# KiCad board AnalogFNN.kicad_pcb (continued)
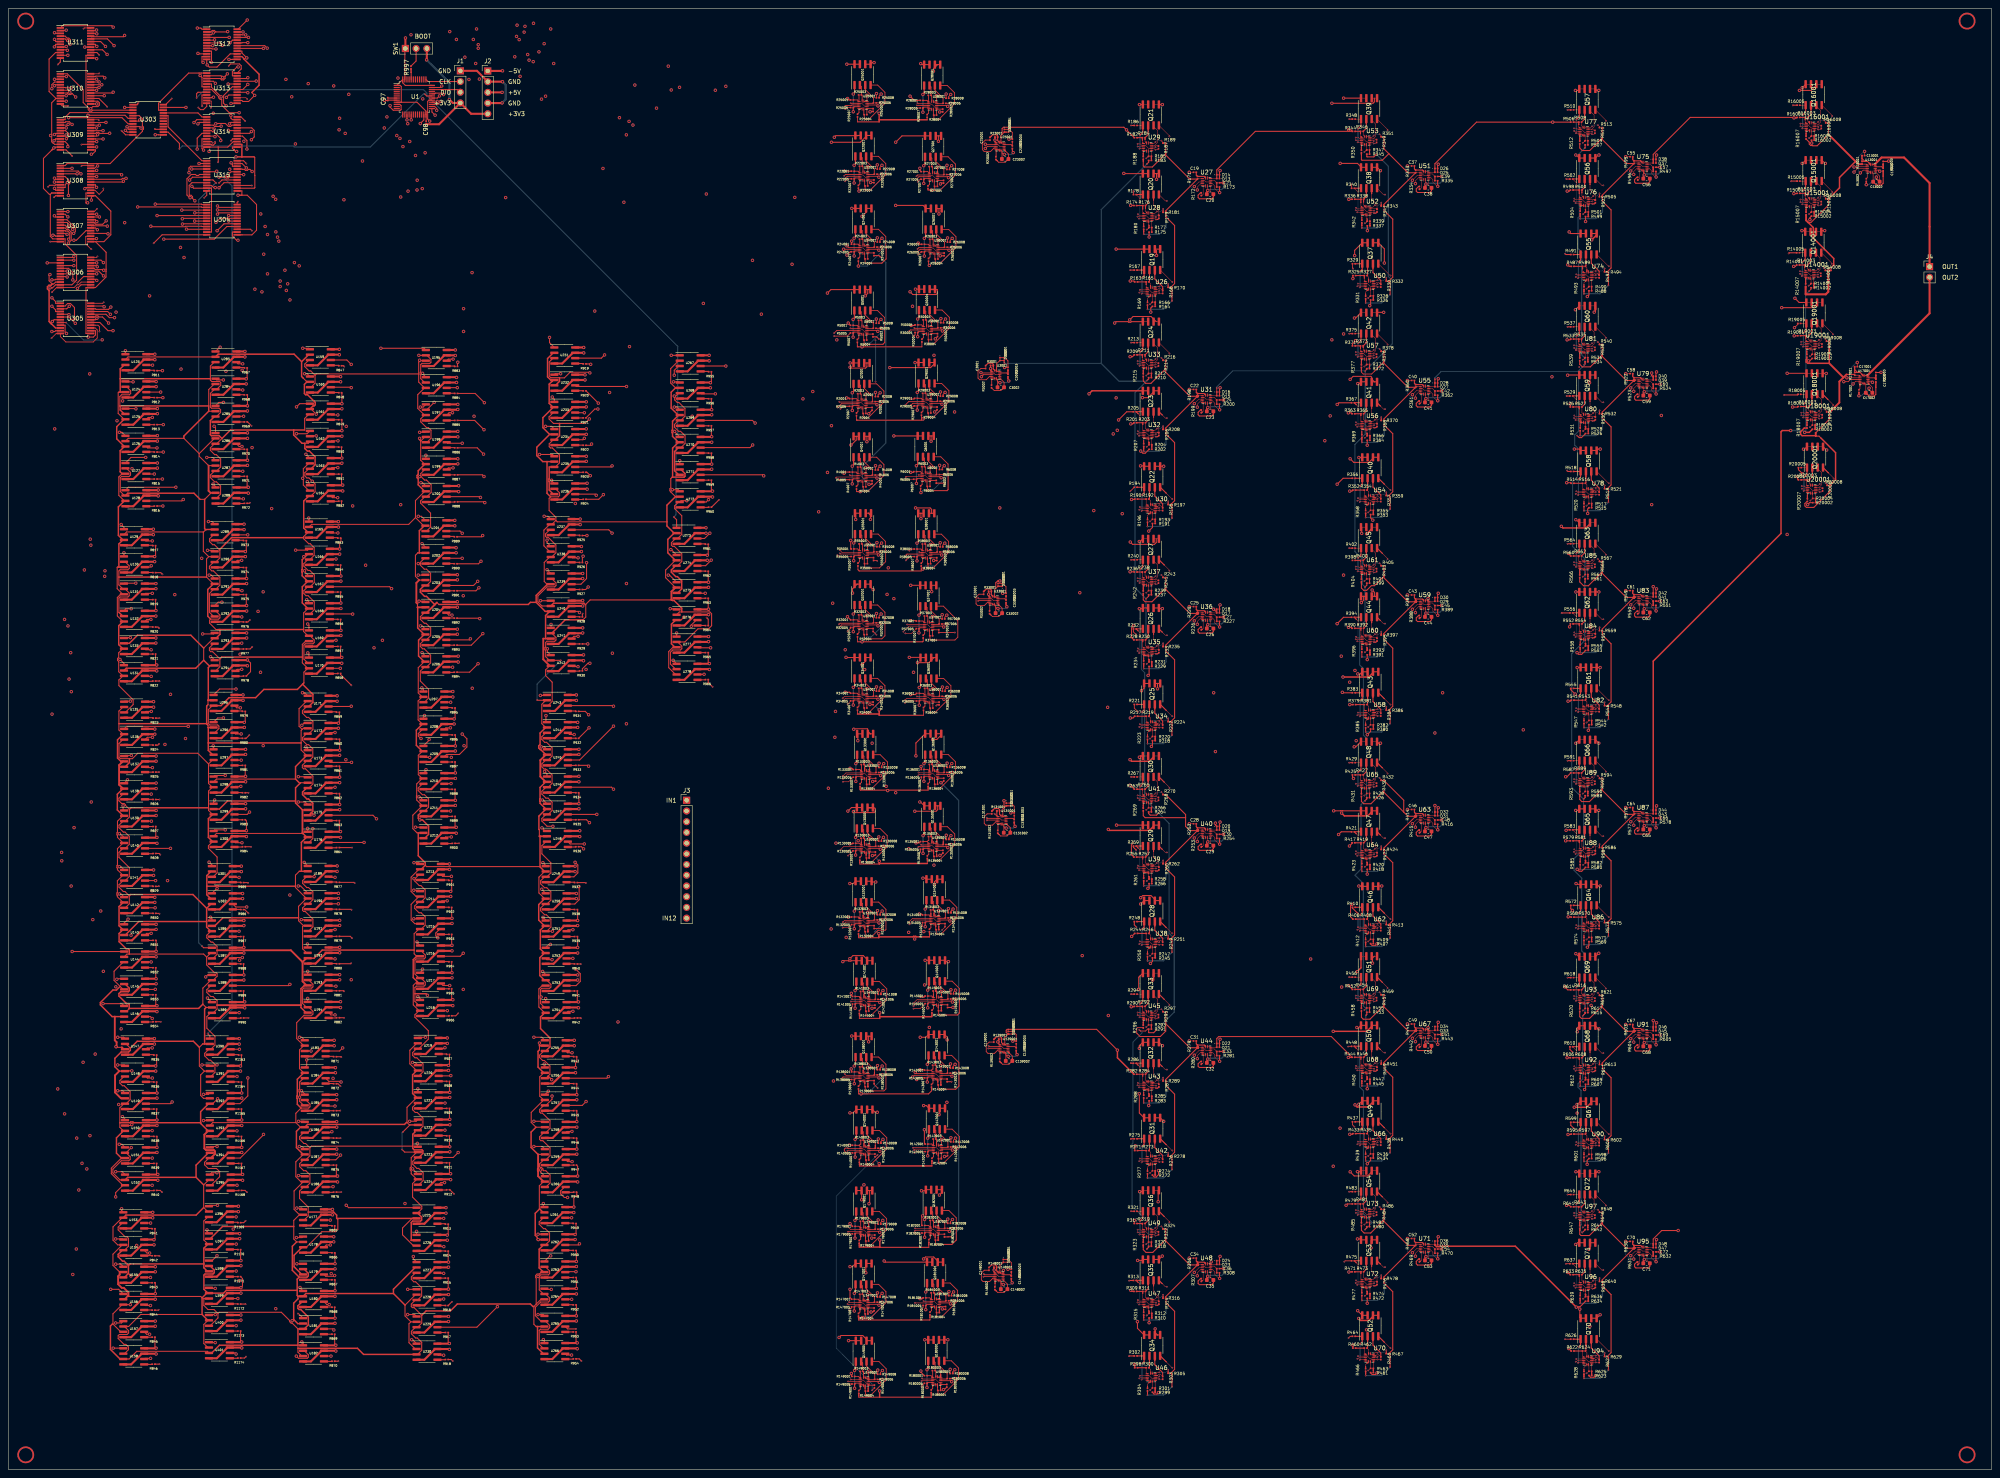
[diagram p0: board, top side]
## Routing (per net, layer and track width the routed paths; a pad name or vN(x,y) marks a point on that pad's centre or on a via; arc(x,y) is an arc through that point) (continued)
  Top w0.35: 437.76,310.22 433.96,306.42 433.96,303.96 R15008.2 ; 431.93,285.02 432.6,285.69 432.6,287.21 427.74,292.06 427.74,294.55 426.53,295.75
  Top w0.45: 426.53,295.75 426.04,296.25 R15007.2 ; 431.26,282.95 R14008.2 431.93,284.35 ; 431.36,316.62 437.76,310.22 438.4,309.58 R13001.1
  Top w0.5: 431.26,282.95 431.3,282.91 431.3,279.3 430.7,278.7 426,278.7 425.94,278.76 425.94,280.49
/OutNeuron_2/AdderOut1/SUM_IN: length 69.2
  Top w0.15: R17001.1 438.58,259.52 U17001.1
  Top w0.25: 428.33,245.85 431.58,249.1 R18008.2 ; R17001.1 437.39,259.71 435.62,259.71 ; R20007.2 426.26,229.58 425.76,229.08 425.76,228.53 426.11,228.18 427.87,228.18 431.68,231.98 R20008.2 ; 438.69,259.41 U17001.1 ; 428.33,245.08 429.1,245.08 429.54,244.63
  Top w0.35: R18007.2 425.6,246.98 424.74,246.12 424.74,245.53 425.09,245.19 428.33,245.19 ; 429.54,244.63 433.03,241.15 433.03,234.75 R20008.2 ; R19008.2 431.53,262.34 426.87,262.34 426.4,262.34 426.06,262.68 426.06,263.16 426.21,263.31 R19007.2
  Top w0.45: R18008.2 431.68,250.8 433.93,253.05 433.93,258.02 434.89,258.98 ; 434.89,258.98 435.62,259.71 ; 434.89,258.98 431.53,262.34 ; 428.33,245.85 428.33,245.08
/S0: length 238.2
  Top w0.25: 10.25,316.62 v1(9.99,316.36) ; 10.25,316.62 10.25,324.13 11.27,325.15 ; 10.25,316.62 10.25,315.37 10.25,315.37 10.25,314.89 10.58,314.55 10.67,314.55 10.96,314.27 U309.10 ; 47,314.93 48.12,314.93 48.39,314.66 v2(48.39,314.66) ; 11.27,325.15 U310.10 ; 11.27,325.15 9.63,326.79 9.63,334.49 11.18,336.04 U311.10 ; U305.10 11.18,270.73 ; v1(10.91,303.84) 11.18,303.57 11.18,303.38 U308.10 ; v1(101.12,321.19) 100.36,321.95 U1.25 ; v1(48.6,325.45) 48.25,325.45 48.12,325.32 U313.10 ; v1(9.84,283.39) 9.64,283.18 9.64,281.91 10.4,281.15 10.71,281.15 11.18,281.61 U306.10 ; U315.10 48.12,304.52 48.63,304.02 v1(49.01,304.02) ; U312.10 45.03,335.73 v1(44.92,335.83) ; U304.10 42.24,294.12 v1(42.2,294.16) ; v1(10.55,292.71) 10.96,292.71 11.18,292.5 U307.10
  Top w0.35: 10.4,281.15 10.11,280.86 9.61,280.86 9.24,280.49 9.24,279.98 9.64,279.58 9.64,272.26 9.83,272.07 9.83,272.02 10.17,271.69 10.21,271.69 11.18,270.73
  In1.Cu w0.25: v1(49.01,304.02) 49.01,300.08 43.09,294.16 v1(42.2,294.16) ; v1(10.91,303.84) 10.2,303.13 10.2,299.99 ; v1(9.84,283.39) 10.55,284.09 v1(10.55,292.71)
  In1.Cu w0.45: v1(10.55,292.71) 10.2,293.06 10.2,299.99
  In1.Cu w0.551: v1(10.91,303.84) 9.99,304.76 v1(9.99,316.36)
  In4.Cu w0.25: v1(48.56,321.64) 51.8,321.64 52.23,322.07 54.15,322.07 54.43,322.35 54.91,322.35 55.14,322.12 55.49,322.12 55.54,322.07 99.87,322.07 100.75,321.19 v1(101.12,321.19) ; v1(9.99,316.36) 10.65,315.7 11.06,315.7 11.4,315.37 11.4,315.05 11.48,314.96 15.94,314.96 16.55,315.58 21.21,315.58 22.12,314.66 v2(48.39,314.66)
  In5.Cu w0.25: 48.99,325.16 48.56,324.74 v1(48.56,321.64) ; v1(44.92,335.83) 44.92,330.91 44.85,330.84 44.85,330.37 44.92,330.3 44.92,329.14 v1(48.6,325.45) 48.7,325.45 ; 48.25,314.66 48.13,314.78 48.13,320.99 48.56,321.42 ; v1(49.01,304.02) 48.39,304.63 v2(48.39,314.66)
  In5.Cu w0.35: 48.25,314.66 v2(48.39,314.66) ; 48.56,321.42 v1(48.56,321.64)
  In5.Cu w0.45: 48.7,325.45 48.99,325.16
/S1: length 240.4
  Top w0.15: v2(48,322.92) 48.15,323.07 48.15,324.52 47,324.52
  Top w0.25: U309.11 11.18,313.62 10.97,313.41 v1(10.77,313.41) ; U312.11 45.88,335.07 45.88,333.96 v1(46.14,333.69) ; U311.11 v1(14.08,335.39) ; U308.11 11.18,302.73 ; 9.92,302.41 9.92,292.45 10.53,291.85 U307.11 13.43,291.85 13.43,290.68 16.16,287.95 16.16,282.08 16.12,282.04 16.12,282.04 15.78,281.71 15.78,281.7 15.04,280.96 U306.11 11.18,280.96 10.45,280.24 v1(9.87,280.24) ; 9.92,302.41 10.25,302.73 ; 9.92,302.41 9.69,302.41 8.3,303.8 8.3,310.94 10.25,312.89 ; v1(13.69,324.5) U310.11 ; v1(43.48,304.29) 43.89,303.88 U315.11 48.12,303.88 48.12,293.48 U304.11 ; v1(10.3,269.88) 10.98,269.88 11.18,270.07 U305.11 ; U314.11 48.04,314.27 48.21,314.1 48.57,314.1 49,314.53 v2(49,314.9) ; U1.26 101.03,323.25 101.49,322.79 v1(101.49,322.35)
  Top w0.35: 10.25,312.89 v1(10.77,313.41) ; 10.25,302.73 11.18,302.73
  In1.Cu w0.15: v2(48,322.92) 47.86,322.78 47.28,322.78
  In1.Cu w0.25: 47.21,313.28 47.25,313.32 47.79,313.32 49,314.53 v2(49,314.9) ; v1(10.3,269.88) 9.63,270.55 9.63,279.99 v1(9.87,280.24) ; v1(10.77,313.41) 11.97,314.61 11.97,322.78 v1(13.69,324.5) ; 48.58,326.36 48.2,326.74
  In1.Cu w0.35: 48.2,326.74 46.14,328.8 v1(46.14,333.69) ; 48.58,326.36 47.28,325.06 47.28,313.21 46.93,312.85 46.93,312.33 47.28,311.98 47.28,307.93 45.06,305.71 45.06,305.68 44.69,305.32 44.67,305.32 43.48,304.13 v1(43.48,304.29)
  In4.Cu w0.35: v1(101.49,322.35) 101.01,322.83 55.84,322.83 55.57,323.1 54.12,323.1 53.85,322.83 51.93,322.83 51.87,322.77 51.35,322.77 51.3,322.83 50.37,322.83
  In4.Cu w0.4: 31.09,324.83 37.27,324.83 38,324.1 46.82,324.1 v2(48,322.92) 48.03,322.89 50.37,322.89
  In4.Cu w0.45: 31.09,324.83 30.53,324.83 30.2,324.5 v1(13.69,324.5)
  In5.Cu w0.25: v1(13.69,324.5) 14.31,325.12 14.31,326.08 14.16,326.23 14.16,326.23 13.97,326.42 13.97,326.9 14.16,327.08 14.16,328.42 14.35,328.61 14.35,335.12 v1(14.08,335.39)
/S2: length 270.2
  Top w0.25: v1(20.87,291.91) 20.69,291.91 20.62,291.85 U307.14 ; U308.14 18.38,302.73 18.38,300.4 ; U313.14 55.33,324.68 55.56,324.44 56.92,324.44 v1(58.36,325.88) 57.68,326.56 ; v1(16.35,280.11) 17.2,280.96 U306.14 ; v1(54.41,291.53) 54.07,291.53 53.08,292.53 53.08,293.48 U304.14 ; U311.14 18.38,335.39 18.38,324.5 18.94,324.5 ; U312.14 55.33,335.07 ; v1(19.49,322.71) 20,323.23 21.21,323.23 21.54,323.56 21.54,324.12 21.17,324.5 U310.14 ; U309.14 20.86,313.62 v1(20.89,313.65) ; U305.14 20.62,270.07 20.62,269.07 20.11,268.56 v1(18.92,268.56) ; 58.23,311.3 58.38,311.14 58.38,306.93 58.4,306.9 58.4,304 58.28,303.88 U315.14 ; U314.14 55.33,314.27 ; U1.27 101.8,323.75 v1(102.52,324.48)
  Top w0.35: 18.38,300.4 v1(18.76,300.4) ; 55.33,311.3 v1(53.93,311.3) ; 55.33,311.3 55.33,314.27 ; 55.33,311.3 58.23,311.3 ; 55.33,335.07 55.82,334.58 55.82,334.49 59.4,330.91 59.4,328.28 57.68,326.56
  In1.Cu w0.25: v1(18.76,300.4) 18.76,301.04 19.24,301.52 19.24,311.54 19.07,311.7 19.07,312.18 19.41,312.51 19.75,312.51 v1(20.89,313.65)
  In1.Cu w0.35: v1(19.49,322.71) 19.49,315.05 v1(20.89,313.65) ; v1(18.76,300.4) 18.76,294.02 v1(20.87,291.91)
  In2.Cu w0.25: v1(54.41,291.53) 53.53,292.41 36.54,292.41 36.04,291.91 v1(20.87,291.91) ; v1(58.36,325.88) 58.69,326.21 79.69,326.21 80.4,325.5 80.92,325.5 80.99,325.57 97.91,325.57 97.95,325.62 98.43,325.62 98.48,325.57 101.43,325.57 v1(102.52,324.48)
  In3.Cu w0.25: v1(18.92,268.56) 18.5,268.97 18.5,277.96 v1(16.35,280.11) ; v1(53.93,311.3) 53.74,311.1 53.74,292.21 v1(54.41,291.53)
  In5.Cu w0.25: v1(53.93,311.3) 54.92,312.28 54.92,321.2 55.25,321.53 55.25,322.01 54.92,322.34 54.92,322.44 v1(58.36,325.88) ; v1(18.92,268.56) 19.03,268.67 19.03,300.13 v1(18.76,300.4)
/S3: length 226.4
  Top w0.25: U307.13 20.62,291.2 ; 20.62,291.2 22.63,291.2 24.26,292.83 24.26,298.44 20.62,302.08 19.96,302.08 19.66,301.78 v1(19.66,301.05) ; 20.62,291.2 23.15,288.68 23.15,284.66 23.15,284.66 23.15,284.18 23.12,284.15 23.12,282.81 20.62,280.31 U306.13 18.38,280.31 18.38,269.43 U305.13 ; U314.13 53.08,313.62 53.08,313.32 53.81,312.59 v1(54.09,312.59) ; U304.13 55.33,292.82 55.35,292.8 57.7,292.8 58.8,293.9 58.8,300 56.59,302.21 55.33,302.21 55.33,303.23 U315.13 ; U1.28 101.4,324.25 v1(101.6,324.45) ; v1(52.26,334.4) 53.05,334.4 53.08,334.43 U312.13 ; v1(19.65,311.94) 19.89,311.94 20.62,312.67 20.62,312.97 U309.13 ; v1(20.92,323.85) U310.13 ; v1(20.92,334.57) 20.79,334.57 20.62,334.74 U311.13 ; U313.13 53.08,324.02 53.01,323.96 v1(52.75,323.96)
  Top w0.35: 55.33,302.21 v1(54.41,302.21)
  In1.Cu w0.25: v1(52.75,323.96) 53.75,322.96 53.75,312.68 53.84,312.59
  In1.Cu w0.35: v1(54.41,302.21) 54.25,302.37 54.25,310.72 54.58,311.06 54.58,311.53 54.09,312.02 v1(54.09,312.59) 53.84,312.59
  In2.Cu w0.25: v1(20.92,323.85) 20.98,323.91 30.24,323.91 30.57,323.58 31.05,323.58 31.38,323.91 51.32,323.91 51.37,323.97 51.85,323.97 51.91,323.91 52.7,323.91 v1(52.75,323.96)
  In3.Cu w0.35: v1(20.92,323.85) 20.21,324.56 20.21,333.87 v1(20.92,334.57)
  In4.Cu w0.25: v1(101.6,324.45) 101.18,324.03 52.82,324.03 v1(52.75,323.96)
  In5.Cu w0.25: 19.66,311.94 19.66,322.07 19.73,322.14 20.07,322.48 20.07,323 v1(20.92,323.85) ; 19.66,311.94 v1(19.66,301.05) ; 19.66,311.94 v1(19.65,311.94) ; v1(52.75,323.96) 52.75,333.91 v1(52.26,334.4)
/S4: length 81.5
  Top w0.25: U1.29 99.65,324.75 99.35,324.45 99.35,320.28 v1(99.84,319.79) ; v1(28.12,318.44) 28.38,318.18 28.38,317.82 U303.10
  In4.Cu w0.25: v1(28.12,318.44) 28.42,318.75 39.03,318.75 40.39,320.11 44.63,320.11 44.98,319.76 53.02,319.76 53.96,318.82 89.43,318.82 89.73,318.51 98.56,318.51 v1(99.84,319.79)
/S5: length 81.8
  Top w0.25: U1.30 101.66,325.25 v1(102.16,325.75) ; v1(27.72,317.6) 28.15,317.18 U303.11
  In2.Cu w0.25: v1(98.19,325.04) 95.55,322.4 41.53,322.4 38.58,319.45 31.11,319.45 29.27,317.6 v1(27.72,317.6)
  In4.Cu w0.25: v1(102.16,325.75) 98.9,325.75 v1(98.19,325.04)
/S6: length 71.8
  Top w0.25: v2(40.52,313.19) 40.52,314.48 37.83,317.18 U303.14 ; U1.31 99.1,325.75 v2(98.64,326.21)
  Bottom w0.25: v2(98.64,326.21) 98.33,326.21 85.76,313.64 67.71,313.64 67.48,313.88 41.21,313.88 v2(40.52,313.19)
/S7: length 78.4
  Top w0.25: U1.32 101.03,326.25 101.19,326.41 102.77,326.41 v1(103.1,326.08) ; v1(34.79,316.54) 35.56,316.54 35.58,316.52 U303.13
  In2.Cu w0.25: v1(34.79,316.54) 35.26,317.01 49.33,317.01 49.43,316.92 54.19,316.92 59.25,321.98 100.07,321.98 101.41,323.32 102.3,323.32 103.15,324.16 103.15,326.03 v1(103.1,326.08)
/SCK: length 2239
  Top w0.25: 49.04,263.85 28.34,263.85 U123.2 ; 27.88,100.94 28.88,99.93 ; 157.31,235.34 156.98,235.01 156.98,232.81 156.76,232.6 156.76,232.12 156.98,231.9 156.98,231.82 158.08,230.72 U272.2 ; 27.35,33.94 28.49,33.94 31.33,36.78 45.89,36.78 ; U178.2 68.31,53.99 67.62,54.68 67.62,59.09 68.97,60.44 ; 47.47,250.99 49.08,250.99 ; 70.62,109.63 69.71,110.54 69.71,113.9 69.99,114.18 71.87,114.18 72.16,114.48 72.16,115.09 71.17,116.09 ; U389.2 46.85,109.59 46.07,110.36 46.07,114.18 47.93,116.03 ; 98.09,157.44 95.84,155.18 95.84,152 96.84,150.99 U212.2 ; 27.12,155.03 25.84,153.75 25.84,151.14 25.71,151.01 25.71,150.53 25.84,150.4 25.84,149.92 27.18,148.59 25.84,147.24 25.84,143.33 25.71,143.2 25.71,142.72 25.84,142.6 25.84,142.24 27.14,140.94 ; 71.21,109.63 72.17,108.68 72.17,108.03 71.87,107.73 70.05,107.73 68.31,105.99 68.31,102.21 69.99,100.54 68.98,99.53 68.98,95.09 69.98,94.08 ; 127.27,48.08 128.26,47.09 128.26,46.48 127.97,46.18 126.15,46.18 125.8,45.83 125.8,42.62 126.78,41.63 ; 98.09,176.79 97.1,177.79 97.1,182.28 98.06,183.24 97.13,184.17 97.13,190.16 98.55,191.59 ; 26.98,53.29 24.77,51.08 24.77,48.42 26.36,46.83 U155.2 ; 128.21,191.88 127.32,192.78 127.32,194.24 127.15,194.41 127.15,194.89 127.32,195.05 127.32,196.14 127.61,196.43 129.47,196.43 129.76,196.73 129.76,197.34 128.77,198.34 ; 136.78,205.14 136.82,205.1 136.82,202.17 136.15,201.5 136.03,201.5 ; 68.95,141.88 68.03,140.97 68.03,138.03 70.63,135.44 68.76,133.57 68.76,130.14 69.92,128.99 ; v1(126.26,112.06) 126.11,112.06 ; 126.11,112.06 126.11,110.54 127.06,109.59 ; 126.11,112.06 126.11,113.85 126.39,114.13 128.27,114.13 128.57,114.43 128.57,115.08 127.61,116.03 ; 158.06,215.62 155.76,213.32 155.76,211.5 158.08,209.17 ; 125.53,74.74 126.82,74.74 ; v2(130.9,191.9) 128.54,191.9 ; 70.51,87.63 71.47,86.68 71.47,86.03 71.17,85.73 69.35,85.73 68.11,84.49 68.11,82.3 ; 69.87,74.74 68.11,72.98 68.11,69.46 69.29,68.29 70.07,68.29 ; 27.17,134.49 25.82,135.84 25.82,136.14 25.7,136.26 25.7,136.74 25.82,136.86 25.82,139.63 27.12,140.94 ; 27.97,237.44 28.93,236.48 28.93,235.85 28.62,235.53 26.83,235.53 26.51,235.21 26.51,231.95 27.48,230.99 ; U150.2 29.01,81.58 v1(29.23,81.81) ; 127.28,35.19 128.28,34.18 128.28,33.65 127.91,33.28 126.08,33.28 125.79,33 125.79,29.72 126.78,28.74 ; 45.42,230.08 46.5,230.08 47.91,231.49 47.91,231.63 ; 46.19,222.31 46.15,222.35 27.99,222.35 27.38,221.74 ; 46.19,222.31 46.19,217.77 47.47,216.49 ; 46.19,222.31 46.75,222.87 46.86,222.87 46.93,222.94 ; v1(69.99,216.49) 70.17,216.32 ; 96.74,88.19 94.46,85.9 94.46,82.3 95.03,81.74 U222.2 95.16,81.74 v2(93.46,80.04) ; 47.47,216.49 46.96,215.97 46.96,211.65 48.57,210.03 ; 47.47,216.49 U290.2 ; 127.31,41.63 128.27,40.68 128.27,40.03 127.97,39.73 126.12,39.73 124.89,38.49 124.89,36.5 126.2,35.19 ; 126.82,68.29 125.82,67.29 125.82,61.89 125.89,61.82 ; 158.6,196.27 159.59,195.28 159.59,194.66 159.29,194.37 157.43,194.37 156.89,193.82 156.89,191.03 158.1,189.82 ; 27.66,215.28 28.62,214.33 28.62,213.68 28.32,213.38 26.45,213.38 26.17,213.1 26.17,209.79 27.13,208.84 ; 98.68,244.88 97.7,243.9 97.7,239.36 98.62,238.44 ; 97.25,110.1 96.33,111.01 96.33,114.3 96.68,114.65 98.49,114.65 98.79,114.94 98.79,115.56 97.8,116.55 ; 69.68,156.44 70.92,156.44 ; 71.21,232.15 69.89,233.47 69.89,235.07 ; 96.43,28.58 94.93,30.09 94.93,34.57 95.39,35.04 ; 129.66,232.58 130.62,231.63 130.62,230.98 130.32,230.68 128.49,230.68 128.14,230.33 128.14,227.44 129.74,225.84 129.74,225.08 ; 158.47,196.27 160.31,196.27 163.43,199.38 165.93,199.38 166.65,200.11 166.65,202.96 166.22,203.38 159.01,203.38 U276.2 ; 46.44,94.49 45.25,95.68 45.25,100.14 46.04,100.94 ; 46.44,94.49 U391.2 ; 46.44,94.49 45.56,93.6 45.56,88.71 46.24,88.04 47.73,88.04 ; 96.47,225.76 94.86,224.15 71.84,224.15 71.22,223.53 ; 96.47,225.76 98.39,223.84 ; 96.47,225.76 96.47,229.8 98.66,231.99 ; 129.74,225.08 128.79,224.13 ; 129.74,225.08 130.07,224.75 156.06,224.75 ; 45.2,240.93 45.2,240.31 47.43,238.08 49.08,238.08 ; 45.2,240.93 48.81,244.53 ; 45.2,240.93 41.58,244.55 28.39,244.55 U126.2 ; 136.74,205.1 137.87,206.23 157.23,206.23 ; 69.89,235.07 69.89,237.34 71.15,238.6 ; 69.89,235.07 v1(69.74,235.07) ; 96.78,75.29 95.46,73.96 95.46,71.79 95.21,71.54 95.21,71.06 95.46,70.81 95.46,70.15 96.78,68.83 95.78,67.84 95.78,64.61 97.96,62.43 97.96,61.82 96.97,60.83 ; 98.64,257.78 97.71,258.71 97.71,259.6 97.58,259.73 97.58,260.2 97.71,260.33 97.71,262.03 98,262.33 99.87,262.33 100.13,262.59 100.13,263.28 99.17,264.24 ; v1(72.93,245.14) 71.54,245.14 ; 46.97,121.54 47.92,122.49 ; 46.97,121.54 46.97,119.68 48.8,117.86 49.18,117.86 49.46,117.58 49.46,116.98 48.51,116.03 ; 46.97,121.54 46.26,122.25 28.09,122.25 U144.2 ; U215.2 96.32,129.45 95.44,130.33 95.44,134.05 97.29,135.9 ; 46.45,191.75 46.27,191.93 46.27,194.81 48.6,197.13 ; 47.46,68.69 46.27,67.5 46.27,62.14 47.22,61.19 ; 27.5,27.49 28.45,28.44 28.45,29.05 27.82,29.68 27.4,29.68 26.01,31.07 26.01,31.76 26.28,32.03 28.11,32.03 28.48,32.4 28.48,32.93 27.48,33.94 ; 70.75,257.95 69.85,258.85 ; U298.2 49.29,163.75 68.04,163.75 ; 125.31,55.11 125.31,54.54 ; 48.78,257.44 47.47,256.13 47.47,252.23 ; v1(29.11,76.35) 27.89,75.13 28.85,74.18 28.85,73.56 28.52,73.23 26.74,73.23 24.75,71.24 24.75,70.37 26.43,68.69 U152.2 ; 47.29,176.51 47.29,175.99 ; 69.61,175.53 68.88,176.26 68.88,180.45 70.66,182.24 ; 69.61,175.53 69.87,175.78 70.92,175.78 ; 69.61,175.53 69.37,175.28 69.37,170.64 70.68,169.34 ; v1(97.27,264.23) 98.92,264.23 ; 125.83,151.72 125.83,150.19 ; 70.97,197.74 69.96,198.74 69.96,203.16 70.98,204.19 ; v1(68.23,26.9) 68.74,26.39 70.81,26.39 71.08,26.66 71.08,27.21 70.11,28.19 ; v1(125.56,54.54) 125.56,54.54 ; 69.91,68.29 67.7,66.07 67.7,61.7 68.97,60.44 ; 127.32,175.99 126.4,176.9 126.4,181.48 127.36,182.44 ; 68.97,60.44 U177.2 ; 98.09,170.34 97.14,169.4 97.14,164.8 98.05,163.89 96.76,162.6 96.76,159.83 96.7,159.77 96.7,159.29 96.76,159.24 96.76,158.77 98.09,157.44 ; v1(67.23,35.3) 67.33,35.3 67.61,35.58 ; 128.27,224.13 126.91,222.77 126.91,219.06 128.28,217.69 ; 26.4,252.23 26.4,254.47 26.81,254.88 28.67,254.88 28.97,255.18 28.97,255.83 28.01,256.78 ; 47.29,181.39 47.29,182.44 ; U300.2 49.3,150.86 69.79,150.86 ; 126.87,94.08 125.91,93.13 125.91,88.55 126.83,87.63 123.9,84.7 123.9,82.31 125.03,81.19 U258.2 ; 70.22,81.19 69.22,81.19 68.11,82.3 ; 68.11,82.3 68.09,82.27 48.41,82.27 U393.2 ; 96.94,205.34 96.94,204.49 ; 45.89,40.73 45.57,41.05 28.17,41.05 ; U181.2 68.68,34.63 68.61,34.57 ; 125.98,143.04 125.98,142.99 99.1,142.99 98.78,143.3 ; 95.39,35.04 96.72,35.04 ; 95.39,35.04 93.99,36.43 93.99,39 96.48,41.49 ; 47.28,35.38 46.31,34.41 46.31,29.9 47.27,28.94 ; 96.78,101.08 95.13,99.43 95.13,96.22 96.71,94.63 ; 127.08,135.38 125.72,136.74 125.72,140.48 127.07,141.84 ; v1(125.85,101.15) 125.85,99.52 125.81,99.48 ; 70.67,122.53 69.71,123.49 69.71,128.78 69.92,128.99 ; U268.2 158.1,256.52 156.95,257.67 156.95,261.09 158.84,262.97 ; 97.02,217.38 96.46,216.83 96.46,211.82 97.34,210.94 U203.2 ; 26.67,88.04 27.62,88.04 ; 27.14,180.84 26.18,179.87 26.18,175.39 27.18,174.38 ; 70.94,191.28 70.02,192.2 70.02,195.5 70.35,195.83 72.17,195.83 72.46,196.13 72.46,196.74 71.47,197.74 ; 27.66,208.84 28.62,207.88 28.62,207.23 28.32,206.93 26.44,206.93 26.17,206.66 26.17,203.3 26.26,203.22 ; 70.92,128.99 69.92,128.99 ; 128.81,211.24 129.77,210.28 129.77,209.63 129.47,209.33 127.63,209.33 125.47,207.17 125.47,205.78 126.47,204.78 U240.2 ; 49.62,199.21 49.2,199.21 47.67,200.73 47.67,201.43 47.92,201.68 49.82,201.68 50.12,201.98 50.12,202.63 49.16,203.59 ; 47.87,190.69 U294.2 ; U1.15 v1(94.45,320.07) ; 28.01,108.69 28.63,109.3 ; U223.2 93.92,75.29 v2(93.3,75.9) ; 97.29,142.35 95.44,140.49 95.44,137.08 96.62,135.9 97.42,135.9 ; 97.83,123 98.79,122.04 98.79,121.39 98.49,121.09 96.61,121.09 96.33,120.81 96.33,117.53 97.31,116.55 ; 71.72,251.5 v1(72.94,250.28) ; v1(29.23,94.56) 27.7,94.56 ; v2(125.3,182.5) 125.37,182.44 U243.2 ; 26.97,59.74 24.78,57.55 24.78,54.4 25.9,53.29 27.1,53.29 ; v1(100.9,253.07) 99.16,251.33 ; 70.92,162.88 69.24,162.88 ; 26.38,94.49 U148.2
  Top w0.35: 125.31,54.54 127.03,54.54 ; 159.58,203.38 159.58,204.27 157.75,206.1 157.36,206.1 157.23,206.23 ; 46.5,230.08 46.5,223.12 46.75,222.87 ; 127.08,135.38 125.68,133.99 125.68,130.3 127.04,128.94 126.05,127.94 126.05,123.47 127.03,122.49 125.94,121.39 125.94,117.14 127.05,116.04 ; 94.46,82.3 94.32,82.3 93.87,81.85 70.89,81.85 70.22,81.19 ; 125.53,74.74 125.51,74.74 123.87,76.38 123.87,80.02 125.03,81.19 ; 47.36,172.32 47.36,170.55 48.38,169.53 ; 47.36,172.32 47.36,175.99 ; 47.36,172.32 69.37,172.32 ; 97.39,217.38 97.39,222.65 98.57,223.84 ; 97.39,217.38 U202.2 ; 97.39,217.38 97.02,217.38 ; 158.85,250.07 157.39,248.62 157.39,246.56 157.27,246.44 157.27,245.92 157.39,245.8 157.39,245.02 158.79,243.62 157.4,242.24 157.4,235.34 ; 70.98,204.19 69.64,205.53 69.64,209.35 70.93,210.63 69.61,211.95 69.61,212.82 69.55,212.88 69.55,213.4 69.61,213.46 69.61,215.76 70.93,217.09 ; 46.49,100.94 46.49,109.23 46.85,109.59 ; 46.49,100.94 46.04,100.94 ; 46.49,100.94 U390.2 ; 45.42,230.08 43.95,231.54 28.28,231.54 U128.2 ; U133.2 28.66,195.94 30.59,197.87 43.21,197.87 46.27,194.81 ; 27.12,155.1 25.81,156.42 25.81,160.15 27.14,161.49 ; 91.24,41.75 91.24,42.77 96.41,47.94 ; 91.24,41.75 70.49,41.75 U180.2 68.62,41.08 ; 91.24,41.75 93.99,39 ; 128.77,198.35 131.92,201.5 136.03,201.5 ; 47.29,181.39 46.99,181.08 46.99,176.88 ; 96.78,88.19 95.79,89.18 95.79,93.63 96.71,94.56 ; 47.02,138.34 49.13,138.34 49.19,138.41 49.71,138.41 49.78,138.34 68.03,138.34 ; 47.02,138.34 47.02,140.86 47.99,141.84 ; 47.02,138.34 47.02,136.3 47.94,135.38 ; 98.66,231.99 97.11,233.53 97.11,234.96 96.85,235.22 96.85,235.74 97.11,236 97.11,236.86 98.62,238.37 ; 69.22,81.19 68.26,80.22 68.26,76.35 69.87,74.74 ; 46.99,176.88 46.99,176.81 47.29,176.51 ; 46.99,176.88 26.18,176.88 ; 68.62,41.08 68.62,41.11 68.43,41.3 68.43,42.5 ; 68.62,41.08 68.62,40.48 67.61,39.47 67.61,35.58 68.61,34.57 ; v1(97.45,244.56) 97.45,244.24 97.74,243.95 ; 26.38,94.49 26.26,94.49 25.22,95.52 25.22,97.52 26.73,99.03 28.5,99.03 28.88,99.41 28.88,99.93 30.52,101.57 43.82,101.57 45.25,100.14 ; 69.43,141.88 70.92,141.88 ; 69.43,141.88 68.95,141.88 ; 69.43,141.88 69.43,148.75 70.66,149.99 69.79,150.86 ; 128.49,230.68 127.64,231.53 127.64,239.03 ; 69.08,162.72 68.04,163.75 68.04,166.71 70.67,169.34 ; 69.08,162.72 68.05,161.69 68.05,158.54 ; 69.08,162.72 69.24,162.88 ; U240.2 129.19,205.45 136.39,205.45 136.74,205.1 ; 129.07,251.87 126.67,249.47 126.67,247.08 128.27,245.49 ; 157.4,235.34 157.31,235.34 ; 157.4,235.34 160.12,235.34 160.34,235.56 160.34,236.21 159.38,237.17 ; 127.31,163.09 125.99,161.76 125.99,159.1 125.93,159.04 125.93,158.52 125.99,158.46 125.99,158.02 127.37,156.63 ; 26.47,252.23 26.47,251.29 27.42,250.33 ; 26.47,252.23 26.4,252.23 ; 26.47,252.23 47.47,252.23 47.47,250.99 41.58,245.1 41.58,244.55 ; 128.27,245.49 U234.2 ; 128.27,245.49 125.22,242.44 125.22,240.45 126.64,239.03 127.64,239.03 ; 95.47,54.38 95.47,58.59 95.81,58.93 97.68,58.93 97.93,59.18 97.93,59.88 96.97,60.83 ; 96.33,112.85 98.94,112.85 v1(99.3,112.48) ; 125.98,150.19 125.98,143.04 ; 48.9,128.94 50.82,130.85 68.76,130.85 ; 27.18,174.38 25.85,173.05 25.85,168.73 26.87,167.71 ; U152.2 28.24,69.3 44.47,69.3 ; U134.2 27.93,190.04 44.38,190.04 46.27,191.93 ; 27.17,134.47 26.21,133.51 26.21,128.96 27.13,128.03 26.22,127.13 26.22,125.18 27.89,123.52 28.35,123.52 28.63,123.24 28.63,122.25 ; 28.63,109.36 45.08,109.36 46.07,110.36 ; 28.63,109.36 28.63,110.33 28.47,110.49 27.99,110.49 26.19,112.29 26.19,112.88 26.62,113.32 28.4,113.32 28.63,113.54 28.63,114.17 27.67,115.13 ; 28.63,109.36 28.63,109.3 ; 50.13,199.21 69.96,199.21 ; 50.13,199.21 50.13,198.08 49.18,197.13 ; 50.13,199.21 49.62,199.21 ; 68.05,158.54 51.9,158.54 49.99,156.63 U299.2 ; 68.05,158.54 68.05,158.07 69.68,156.44 ; 158.71,250.07 157.07,251.72 157.07,255.49 158.1,256.52 ; 127.36,169.53 126.15,170.75 126.04,170.75 125.68,171.12 125.68,171.63 126,171.95 126,174.66 127.32,175.99 ; 158.08,230.72 156.06,228.7 156.06,223.76 157.76,222.07 156.28,220.59 156.28,217.4 158.06,215.62 ; 47.91,231.63 49.08,231.63 ; 127.07,141.84 125.98,142.92 125.98,142.99 ; 68.31,53.99 67.29,52.96 67.29,47.24 68.9,45.63 ; 129.07,251.94 128.15,252.85 128.15,257.4 128.8,258.05 128.8,258.1 127.77,259.13 127.77,263.47 129.13,264.83 ; 70.75,257.95 70.14,257.35 70.14,255.18 70.44,254.88 70.9,254.88 72.71,253.07 72.71,252.5 72.45,252.24 72.19,252.24 U161.2 ; 68.9,45.63 68.43,45.16 68.43,42.5 ; 68.9,45.63 70.77,45.63 71.06,45.93 71.06,46.54 70.07,47.54 ; 127.37,156.62 125.72,154.96 125.72,151.83 125.83,151.72 ; 26.17,211.65 46.96,211.65 ; 69.35,85.73 68.46,86.62 68.46,87.95 68.36,88.06 68.36,88.57 68.46,88.67 68.46,92.56 69.98,94.08 ; 98.09,170.34 96.67,171.76 96.67,175.35 98.09,176.77 ; 68.43,42.5 51.63,42.5 50.97,41.83 U399.2 ; 47.69,190.51 47.37,190.18 47.37,182.44 ; 47.69,190.51 46.45,191.75 ; 47.69,190.51 47.87,190.69 ; 46.93,222.94 U289.2 ; 98.55,191.59 97.2,192.93 97.2,196.69 98.55,198.03 96.99,199.59 96.99,204.49 ; 47.41,75.13 44.47,72.19 44.47,69.3 ; 125.31,55.11 124.85,55.56 124.85,60.78 125.89,61.82 126.72,60.99 ; 47.81,48.29 48.77,47.33 48.77,46.68 48.47,46.38 46.59,46.38 46.32,46.11 46.32,42.75 46.99,42.09 46.99,41.83 45.89,40.73 45.89,36.78 47.28,35.38 ; 127.64,239.03 U235.2 ; U153.2 27.84,60.35 44.48,60.35 46.27,62.14 ; 67.62,57.65 50.74,57.65 47.83,54.74 ; 44.47,69.3 46.27,67.5 ; 69.85,258.85 69.48,259.22 69.48,262.73 ; 69.48,262.73 71.15,264.4 ; 69.48,262.73 67.7,264.51 49.7,264.51 49.08,263.88 ; 125.8,45.79 v1(125.52,45.79) ; 47.92,201.68 47.24,202.36 47.24,208.71 48.57,210.03 ; 97.83,142.35 98.78,143.3 98.78,143.9 97.13,145.56 97.13,150.99 ; 26.26,203.22 27.09,202.38 ; 125.81,99.48 125.52,99.19 125.52,95.44 126.87,94.08 ; 47.36,175.99 47.29,175.99 ; 47.36,175.99 U296.2 ; 27.51,40.38 28.17,41.05
  Top w0.45: 26.67,88.04 25.26,89.45 25.26,93.48 26.26,94.49 ; 69.68,156.44 69.68,150.96 69.7,150.95 69.7,150.86 ; 129.09,258.38 128.8,258.1 ; 125.53,74.74 125.53,71.38 125.47,71.32 125.47,70.8 125.53,70.75 125.53,69.58 126.82,68.29 ; 95.47,54.38 96.72,54.38 ; 47.91,231.63 47.43,232.11 47.43,238.08 ; 125.85,100.54 127.12,100.54 ; 26.36,46.83 26.36,46.21 25.99,45.84 25.99,43.96 26.86,43.09 27.34,43.09 28.43,42.01 28.43,41.31 28.26,41.14 28.26,41.05 ; U248.2 125.83,150.19 ; 96.94,204.49 U204.2 ; 47.29,182.44 U295.2 ; 158.08,209.17 157.13,208.22 157.13,206.33 157.13,206.33 157.13,206.23 ; 97.34,210.94 96.68,210.27 96.68,205.61 96.94,205.34 ; 127.31,163.09 126.05,164.35 126.05,168.23 127.36,169.53 ; 27.14,167.98 26.22,167.06 26.22,162.4 27.14,161.49
  In1.Cu w0.25: v1(68.23,26.9) 67.23,27.89 v1(67.23,35.3)
  In2.Cu w0.25: v1(126.26,112.06) 125.84,112.48 v1(99.3,112.48)
  In3.Cu w0.25: v1(97.27,264.23) 96.82,263.78 96.82,256.51 100.26,253.07 100.26,247.38 v1(97.45,244.56) ; 71.59,240.91 71.59,243.79 v1(72.93,245.14) 72.93,250.27 v1(72.94,250.28) ; v1(29.23,81.81) 29.23,76.48 v1(29.11,76.35) ; v1(125.52,45.79) 125.52,54.5 v1(125.56,54.54) ; v1(126.26,112.06) 126.26,101.56 v1(125.85,101.15)
  In3.Cu w0.35: 69.99,235.07 69.99,239.31 71.59,240.91 ; 69.99,235.07 v1(69.74,235.07) ; 69.99,235.07 v1(69.99,216.49) ; 100.26,253.07 v1(100.9,253.07)
  In4.Cu w0.25: v1(72.93,245.14) 73.49,245.69 96.32,245.69 v1(97.45,244.56)
  In5.Cu w0.25: v1(97.27,264.23) 97.27,303.07 97.41,303.21 97.41,303.69 97.27,303.83 97.27,305.35 97.44,305.53 97.44,306 97.27,306.18 97.27,311.89 94.45,314.71 94.45,318.53 94.39,318.59 94.06,318.93 94.06,319.4 94.45,319.8 v1(94.45,320.07) ; v1(29.23,81.81) v1(29.23,94.56)
  Bottom w0.25: v2(130.9,191.9) 125.3,186.3 v2(125.3,182.5) ; v2(93.46,80.04) 93.3,79.88 v2(93.3,75.9)
